# KiCad board MiniMastermindPanel.kicad_pcb (continued)
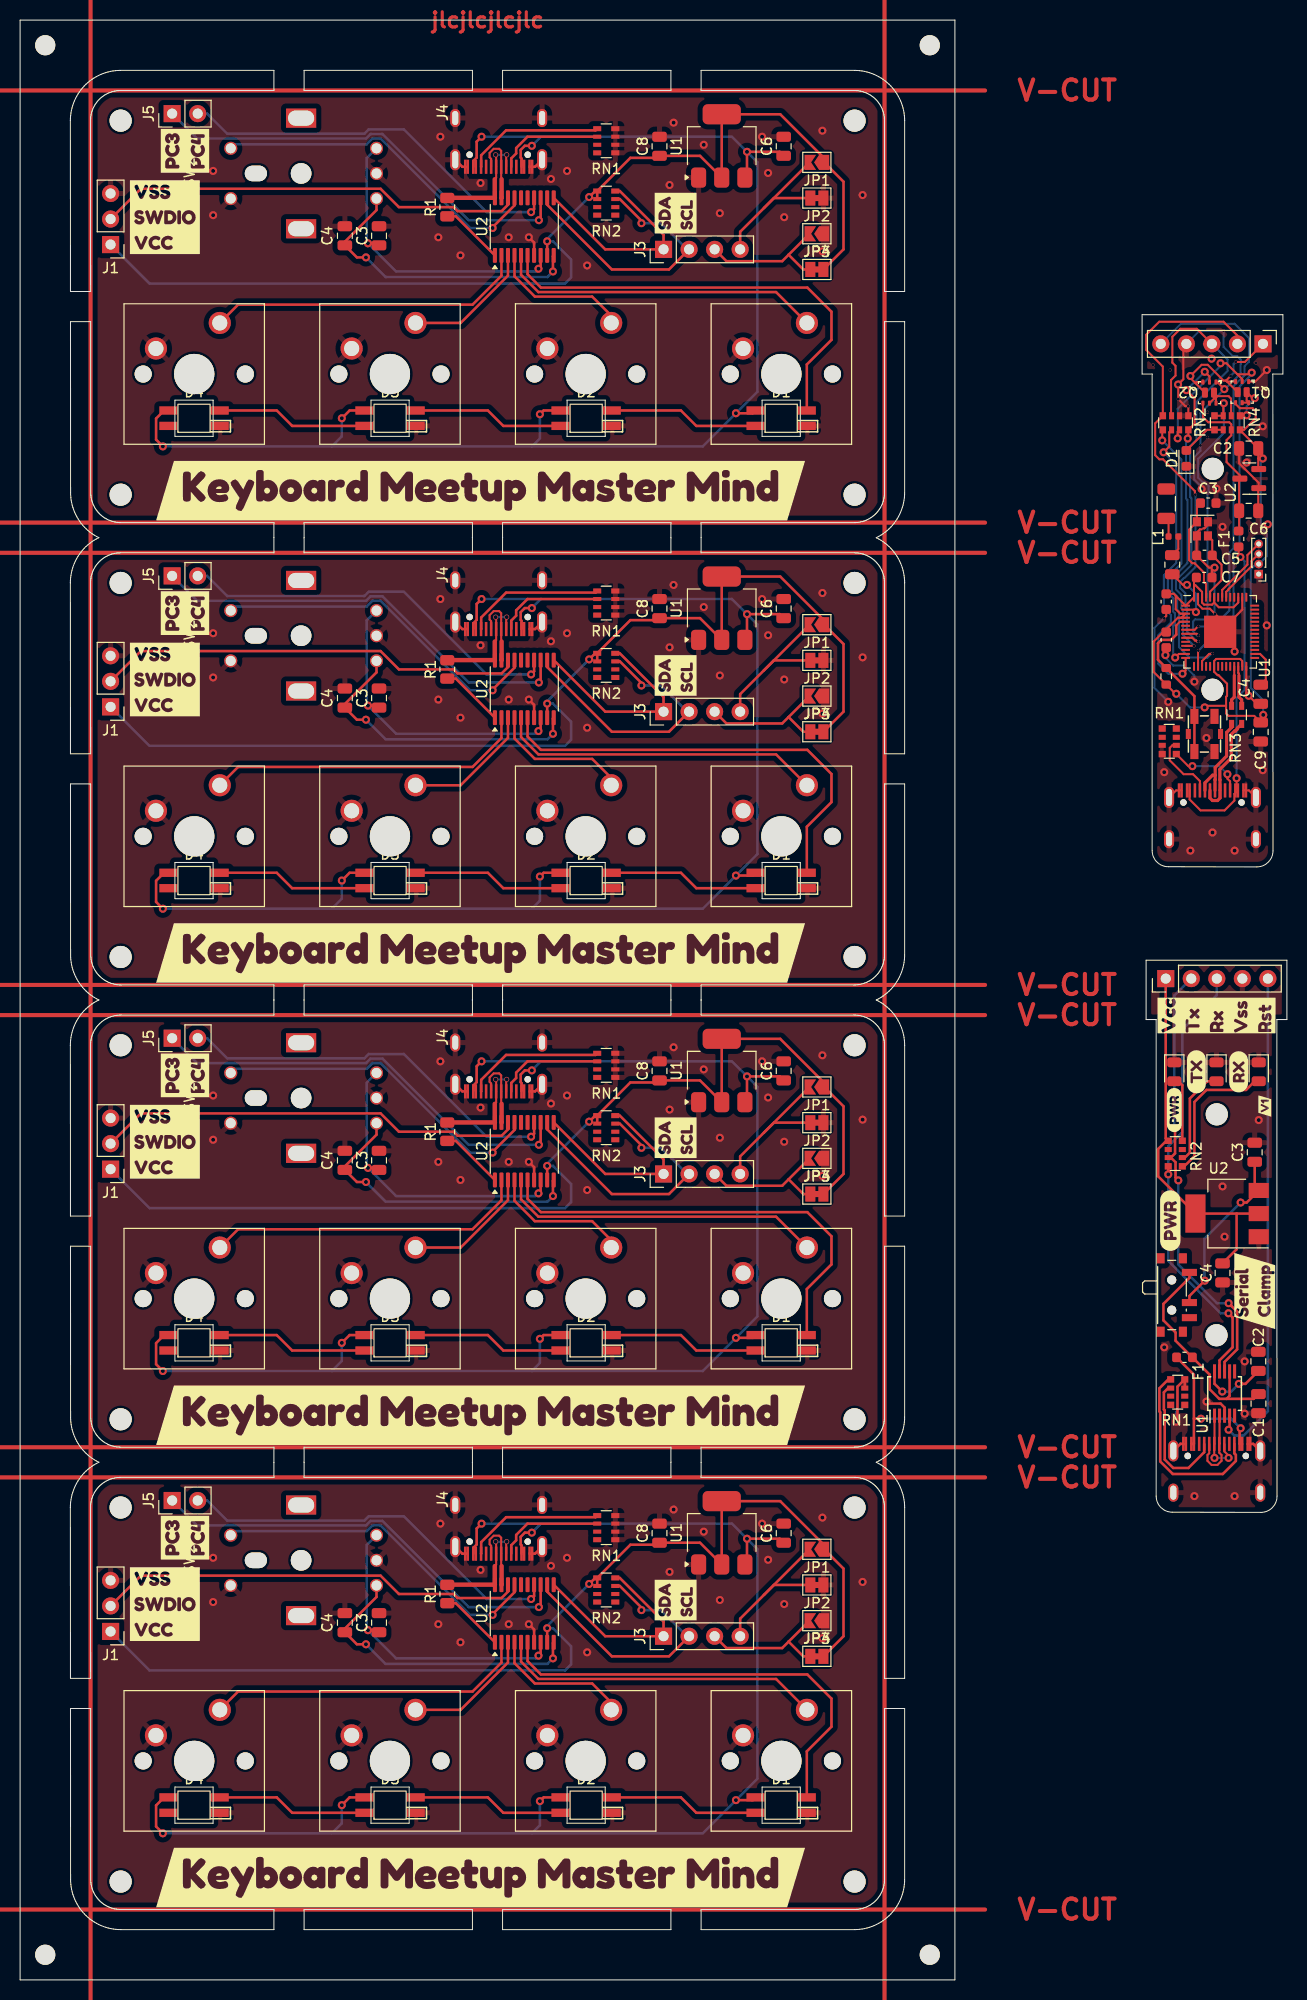
[diagram p0: board, top side]
## Routing (per net, layer and track width the routed paths; a pad name or vN(x,y) marks a point on that pad's centre or on a via; arc(x,y) is an arc through that point) (continued)
Board_3-Net-(D1-DOUT): length 14.9
  Top w0.25: D1#3.2 67.26,16.62 65.72,18.15 D2#5.4
Board_3-Net-(D2-DOUT): length 15
  Top w0.25: D2#5.2 48.06,16.62 46.53,18.15 D3#2.4
Board_3-Net-(D3-DOUT): length 15
  Top w0.25: D4.4 25.53,18.15 27.06,16.62 D3#2.2
Board_3-Net-(J3-Pin_3): length 13.8
  Top w0.25: J3#3.3 70.25,33 75.8,33 76.44,33.64 ; 76.44,33.64 77.9,32.18 JP4.1 ; 76.44,33.64 JP3#4.2
Board_3-Net-(J3-Pin_4): length 16.5
  Top w0.25: J3#3.4 71.62,35.92 73.99,38.29 ; JP1#4.2 73.99,38.29 ; 73.99,38.29 74.97,39.28 JP2#3.2
Board_3-Net-(J4-CC1): length 10.6
  Top w0.25: RN1#5.6 50.46,45.38 49.34,44.26 49.34,43.72 48.85,43.23 J4.A5
Board_3-Net-(J4-CC2): length 13.8
  Top w0.25: RN1#5.5 57.24,46.02 48.34,46.02 45.86,43.54 45.86,42.4 J4.B5
Board_3-PA1: length 32.3
  Top w0.25: U2#2.5 49.82,31.65 51.55,29.93 75.19,29.93 SW5#2.1
Board_3-PA2: length 44.5
  Top w0.25: D1#3.4 78.25,22.73 80.7,25.18 80.7,27.98 78.3,30.38 51.8,30.38 50.47,31.7 U2#2.6
Board_3-PC3: length 43.5
  Top w0.25: U2#2.13 51.78,37.25 v1(51.6,37.08)
  Bottom w0.25: J5.1 17.6,45.2 34.41,45.2 34.86,45.65 36.04,45.65 44.62,37.08 v1(51.6,37.08)
Board_3-PC4: length 39.1
  Top w0.25: v1(50.82,37.88) 51.12,38.18 U2#2.14
  Bottom w0.25: J5.2 18.6,47.68 20.6,45.68 34.25,45.68 34.67,46.1 38.18,46.1 46.4,37.88 v1(50.82,37.88)
Board_3-PD5: length 32
  Top w0.25: SW1#2.1 21.68,28.68 45,28.68 47.88,31.55 U2#2.2
Board_3-PD6: length 13.2
  Top w0.25: U2#2.3 48.53,31.57 43.82,26.86 SW3.1
Board_3-PD7: length 14
  Top w0.25: SW4#3.1 58.79,27.59 56.9,29.48 51.2,29.48 49.18,31.5 U2#2.4
Board_3-SCL: length 27.9
  Top w0.25: U2#2.12 52.43,38.61 58.86,32.18 64.54,32.18 J3#3.2 ; RN2#6.3 59.65,39.18 61.8,37.03 v1(61.8,36.78)
  Bottom w0.25: J3#3.2 66.35,34.18 63.75,36.78 v1(61.8,36.78)
Board_3-SDA: length 21.1
  Top w0.25: RN2#6.4 59.65,39.98 64,35.63 J3#3.1 58.2,34.18 U2#2.11
Board_3-SWIO: length 42.6
  Top w0.25: J1#2.2 12.01,40.2 35.85,40.2 37.68,38.38 43.11,38.38 43.51,37.98 47.89,37.98 48.53,38.61 U2#2.18
Board_3-VCC: length 107.7
  Top w0.25: RN2#6.5 RN2#6.6 ; RN2#6.5 60.7,43.28 63.4,43.28 C8#4.1 67.62,43.48 U1#4.2 U1#4.2 75.6,47.62 79.97,43.25 JP1#4.1 81.9,40.9 81.9,34.18 JP4.2 ; RN2#6.5 57.2,39.98 v1(56.6,39.38) ; U2#2.9 v1(52.43,34.98) 52.43,35
  Bottom w0.25: v1(56.6,39.38) 52.43,35.2 v1(52.43,34.98) 53,34.98 54.8,33.18 54.8,31.38 54.2,30.78 12.88,30.78 J1#2.1
Board_3-VSS: length 5.1
  Top w0.25: J4.S1 51.22,42.39 J4.B12 ; v1(50.6,35.38) 51.12,34.85 U2#2.7 ; J4.B1 43.98,42.39 J4.S1
  vias: v1(19.2,41.98) v1(19.2,37.58) v1(41.6,35.38) v1(41.8,45.38) v1(43.8,33.58) v1(45.8,40.78) v1(48.6,35.38) v1(52.8,41.18) v1(54.4,41.98) v1(56.4,32.58) v1(64.6,40.58) v1(65,46.78) v1(68,44.58) v1(69.6,37.78) v1(73.8,45.38) v1(74.4,41.78) v1(76,37.38) v1(79.8,45.98) v1(79.8,33.98) v1(83.8,39.58)
D2+: length 4.1
  Top w0.2: 121.23,129.73 121.23,129.91 121.16,129.98 U1#3.26
  Top w0.31: RN3.3 121.5,127.31 121.23,127.58 121.23,129.73
D2-: length 4
  Top w0.2: U1#3.25 120.76,129.74 120.77,129.73
  Top w0.31: RN3.4 120.5,127.31 120.77,127.58 120.77,129.73
D+: length 17.5
  Top w0.2: v1(120.2,51.91) 120.2,52.14 119.78,52.56 J1#3.B6 ; v1(118.8,51.91) 118.78,51.94 J1#3.A6 118.8,53.34 U1#6.1
  Top w0.31: J1#6.A6 118.35,117.55 118.6,117.3 119.1,117.3 119.35,117.55 J1#6.B6 119.35,119.35 119.33,119.37 119.33,120.39 120.46,121.53 120.46,123.88 120.8,124.21 120.88,124.21 121.06,124.39 121.06,124.47 RN3.2
  Bottom w0.2: v1(118.8,51.91) v1(120.2,51.91)
D-: length 17.5
  Top w0.2: U1#6.2 119.3,53.34 J1#3.A7 119.28,52.43 119.5,52.2 119.5,51.62 119.09,51.21 118.51,51.21 118.1,51.62 118.1,52.2 118.28,52.38 J1#3.B7
  Top w0.31: 118.87,119.81 118.87,120.58 120,121.72 120,124.07 120.5,124.57 RN3.1 ; 118.87,119.81 118.61,119.81 117.85,119.06 J1#6.B7 ; 118.87,119.81 118.87,119.37 118.85,119.35 J1#6.A7
GPIO0: length 16.4
  Top w0.2: 115,134.71 115.36,135.08 U1#3.5
  Top w0.25: SW2#3.4 SW2#3.3 116.8,127.68 R5.2 113.18,131.3 113.18,132.93 113.52,133.28 114.48,133.28 115,133.8 115,134.71
MULTI2: length 43.2
  Top w0.2: 117.16,134.62 116.82,134.28 U1#3.7
  Bottom w0.2: J4#5.5 115.46,164.71 120.8,164.71 122.23,163.29 122.23,160.93 121.8,160.51 121.8,159.61 120.7,158.51 120.7,142.4 120.28,141.97 120.28,136.19 118.7,134.62 117.2,134.62 v3(117.2,134.61) 117.16,134.62
ProgAct: length 29.7
  Top w0.2: v1(119.73,156.81) 119.67,156.76 RN4.7 RN4.8 ; v3(117.2,133.71) 117.04,133.88 U1#3.8
  Bottom w0.2: v3(117.2,133.71) 117.06,133.71 116.68,134.1 116.68,135.12 116.87,135.31 117.9,135.31 118.1,135.51 118.1,147.86 118.22,147.98 118.22,148.56 117.81,148.97 117.61,148.97 117.18,149.41 117.18,151.29 119.73,153.84 v1(119.73,156.81)
Reset: length 49.6
  Top w0.25: U1#6.4 120.3,54.81 v1(120.2,54.71)
  Bottom w0.25: J2#2.5 124.11,56.55 121.7,54.14 120.78,54.14 v1(120.2,54.71)
RX: length 52.3
  Top w0.2: J2.4 123.18,142.81 122.07,141.71 122.07,140.76 119.56,138.24 U1#3.49
  Top w0.25: v1(114.2,80.11) RN2#5.4 ; U1#6.9 119.3,61.61 120.6,62.91 120.6,65.89 v1(120.19,66.3)
  Bottom w0.25: v1(120.19,66.3) 119.41,66.3 114.2,71.51 v1(114.2,80.11) 114.2,82.91 115.6,84.31 115.6,94.51 119.03,97.94 J2#2.3
SWCL: length 47.3
  Top w0.2: v3(116.9,147.71) 116.85,147.76 116.85,148.06 113.68,151.23 113.31,151.23 112.9,151.64 112.9,154.8 RN2.8 113.66,160.45 112,162.11 112,163.61 113.3,164.91 119.7,164.91 121.08,163.53 J4#5.2 ; U1#3.9 116.6,133.48 116.87,133.2 116.98,133.2 117.07,133.11 v3(117.2,133.11)
  Bottom w0.2: v3(116.9,147.71) 116.9,140.51 115.83,139.44 115.77,139.44 115.36,139.03 115.36,138.45 115.9,137.92 115.9,136.58 116.06,136.41 116.06,134.11 117.06,133.11 v3(117.2,133.11)
SWIO: length 48.4
  Top w0.2: RN2.7 114.48,155.62 114.48,159.11 114.93,159.56 114.93,160.53 114.61,160.85 114.61,163.42 115.4,164.21 117.04,164.21 J4#5.3 117.74,162.71 ; U1#3.11 v3(116.76,132.68)
  Bottom w0.2: J4#5.3 120.1,161.15 120.1,160.01 117,156.91 117,153.17 116.38,152.55 116.38,147.5 116.5,147.37 116.5,140.74 114.96,139.2 114.96,138.29 115.5,137.75 115.5,136.41 115.66,136.25 115.66,133.78 v3(116.76,132.68)
SWPUC: length 25.6
  Top w0.2: U1#3.13 115.25,131.88 v1(114.89,131.51) ; RN2.1 113.6,154.1 v1(113.6,153.11)
  Bottom w0.2: v1(113.6,153.11) 115.5,151.21 115.5,140.87 114.16,139.53 114.16,137.96 114.7,137.42 114.7,136.08 114.86,135.92 114.86,134.83 114.7,134.66 114.7,131.7 v1(114.89,131.51)
SWPUD: length 29.9
  Top w0.2: v1(113.73,151.93) 114.3,152.5 114.3,153.93 RN2.2 ; U1#3.14 115.93,130.22 v1(115.62,129.91)
  Bottom w0.2: v1(115.62,129.91) 114.21,129.91 113.22,130.9 113.22,133.75 114.46,134.99 114.46,135.73 113.76,136.43 113.76,139.7 115,140.93 115,150.67 v1(113.73,151.93)
TX: length 49.8
  Top w0.2: U1#3.48 119.96,138.05 120.17,138.25 120.17,138.28 122.47,140.59 122.47,141.11 123.18,141.81 J2.3
  Top w0.25: v1(120.2,67.3) 120.48,67.03 120.49,67.03 121.05,66.46 121.05,62.71 119.8,61.46 U1#6.8 ; v1(115.2,79.51) 114.93,79.79 114.93,81.32 114.46,81.78 ; 114.46,81.78 114.88,82.2 114.88,84.64 v1(114.8,84.71) ; 114.46,81.78 RN2#5.3
  Bottom w0.25: v1(115.2,79.51) 115.2,71.15 119.05,67.3 v1(120.2,67.3) ; v1(114.8,84.71) 114.8,97.89 J2#2.2
VUSB: length 22.6
  Top w0.25: 116.31,70.1 116.31,69.82 113.72,67.23 113.72,65.59 114.93,64.38 114.93,63.57 116.59,61.91 F1.2 118.32,60.19 118.32,58.74 119.27,57.79 120,57.79 ; C1#2.1 122.69,57.79 120,57.79 ; 120,57.79 120.3,58.09 U1#6.7
Net-(A1-Pad1): length 1.9
  Top w0.2: A1.1 114.23,145.12 L1.1
Net-(C1-Pad1): length 2.1
  Top w0.2: L1.2 115.2,142.3 C1.1
Net-(D1-A): length 18.4
  Top w0.2: D1#5.2 118.05,154.16 RN4.1 RN4.2
  Top w0.25: 122.8,89.38 121.94,88.51 118,88.51 116.8,87.31 116.8,81.93 115.79,80.91 RN2#5.5
Net-(D2-A): length 9.7
  Top w0.25: RN2#5.6 115.86,81.78 116.35,82.28 116.35,87.66 118.06,89.38 D2#4.2
Net-(D3-A): length 6.1
  Top w0.25: RN2#5.8 115.6,88.98 115.2,89.38
Net-(F1-Pad1): length 48.7
  Top w0.2: v1(121,119.51) 121,118.43 J1#6.A9 120.78,117.95 120.78,117.29 119.8,116.31 117.41,116.31 116.32,117.4 J1#6.B9 ; F1#2.1 121.2,141.69 v1(121.38,141.51)
  Top w0.25: J1#3.A4 J1#3.B9 116.75,55.81 ; F1.1 116.75,60.19 116.75,55.81 ; v1(121.4,54.86) 121.3,54.76 J1#3.B4 J1#3.A9 ; 116.75,55.81 v1(117.45,55.81)
  Bottom w0.2: v1(121,119.51) 121,127.5 121.8,128.31 121.8,141.09 v1(121.38,141.51)
  Bottom w0.25: v1(117.45,55.81) 120.45,55.81 v1(121.4,54.86)
Net-(J1-CC1): length 20.1
  Top w0.2: J1#6.A5 117.35,119.23 116.66,119.91 115.73,119.91 114.35,121.29 114.35,122.53 114.6,122.78 RN1.6
  Top w0.25: J1#3.A5 117.78,52.48 116.21,50.91 114.69,50.91 113.85,51.75 113.85,56.65 113.77,56.73 113.77,58.44 114.18,58.85 RN1#2.6
Net-(J1-CC2): length 26.8
  Top w0.2: v1(116.6,120.71) 116.2,120.71 RN1.5 ; v1(120.09,119.92) 120.09,119.47 120.35,119.2 J1#6.B5
  Top w0.25: J1#3.B5 120.78,52.37 120.93,52.22 120.93,51.61 119.63,50.31 114.65,50.31 113.4,51.57 113.4,56.46 113.31,56.54 113.31,58.83 114.21,59.72 RN1#2.5
  Bottom w0.2: v1(116.6,120.71) 119.29,120.71 v1(120.09,119.92)
Net-(Q1-G2): length 5.5
  Top w0.2: Q1.5 Q1.6 122,157.06 Q1.7 122.6,157.31 v1(122.8,157.31) ; RN4.5 121.95,155.56 v1(122,155.62)
  Bottom w0.2: v1(122,155.62) 122,156.51 v1(122.8,157.31)
Net-(Q2-G2): length 6.3
  Top w0.2: Q2.5 118.75,157.26 Q2.7 118.95,157.66 Q2.6 118.95,157.36 119.1,157.51 120.2,157.51 120.45,157.26 120.45,155.58 RN4.6
Net-(SW1-B): length 17.4
  Top w0.25: v1(121.4,77.31) 122,77.31 U2.3 122.8,78.91 C3#3.1 ; v1(117.83,69.55) 116.31,68.02 SW1.2
  Bottom w0.25: v1(117.83,69.55) 117.8,69.58 117.8,73.71 v1(121.4,77.31)
Net-(U1-LNA_IN): length 6.1
  Top w0.2: v1(116.06,138.74) 115.66,138.74 C1.2 ; v1(116.95,136.04) 116.71,136.28 U1#3.2
  Bottom w0.2: v1(116.95,136.04) 116.95,137.85 v1(116.06,138.74)
Net-(U1-V3): length 6.8
  Top w0.25: C2#2.1 121.87,59.28 v1(121.22,59.28) ; U1#6.10 118.8,59.29 v1(119.57,58.51)
  Bottom w0.25: v1(121.22,59.28) 120.45,58.51 v1(119.57,58.51)
Net-(U1-VDD_SPI): length 4
  Top w0.2: U1#3.30 123.33,131.88 123.9,131.31 123.9,129.31 C4#2.1
Net-(U1-XTAL_N): length 7.1
  Top w0.2: Y1.3 118.57,143.19 C5.2 119.5,140.75 119.5,139.21 118.36,138.07 U1#3.52
Net-(U1-XTAL_P): length 10.7
  Top w0.2: U1#3.53 117.96,138.85 117.75,139.06 117.75,139.96 116.81,140.9 116.58,140.9 116.28,141.21 116.28,144.24 Y1.1 117.05,146.53 C3#2.2

## Copper pours and planes (outline as drawn; the poured copper is in the pictures)
GND on Top, Bottom: 111,109.51 111,166.51 127,166.51 127,109.51
VSS on Top, Bottom: 111,44.51 111,102.51 127,102.51 127,44.51
Board_0-VSS on Top, Bottom: 6,188.91 87,188.91 87,143.91 6,143.91
Board_1-VSS on Top, Bottom: 6,142.94 87,142.94 87,97.94 6,97.94
Board_2-VSS on Top, Bottom: 6,96.96 87,96.96 87,51.96 6,51.96
Board_3-VSS on Top, Bottom: 6,50.98 87,50.98 87,5.98 6,5.98

## Text on the board
Top: jlcjlcjlcjlc | V-CUT
